# Altium PCB PCB1.PcbDoc (part 1 of 2)
Units mil, origin at the board's own origin, x right, y up, seen from the top; angles counter-clockwise.
Board outline 5910 x 3111 mil, 2 copper layers (Top Layer, Bottom Layer); 174 components, 168 nets, 751 pads, 589 vias.
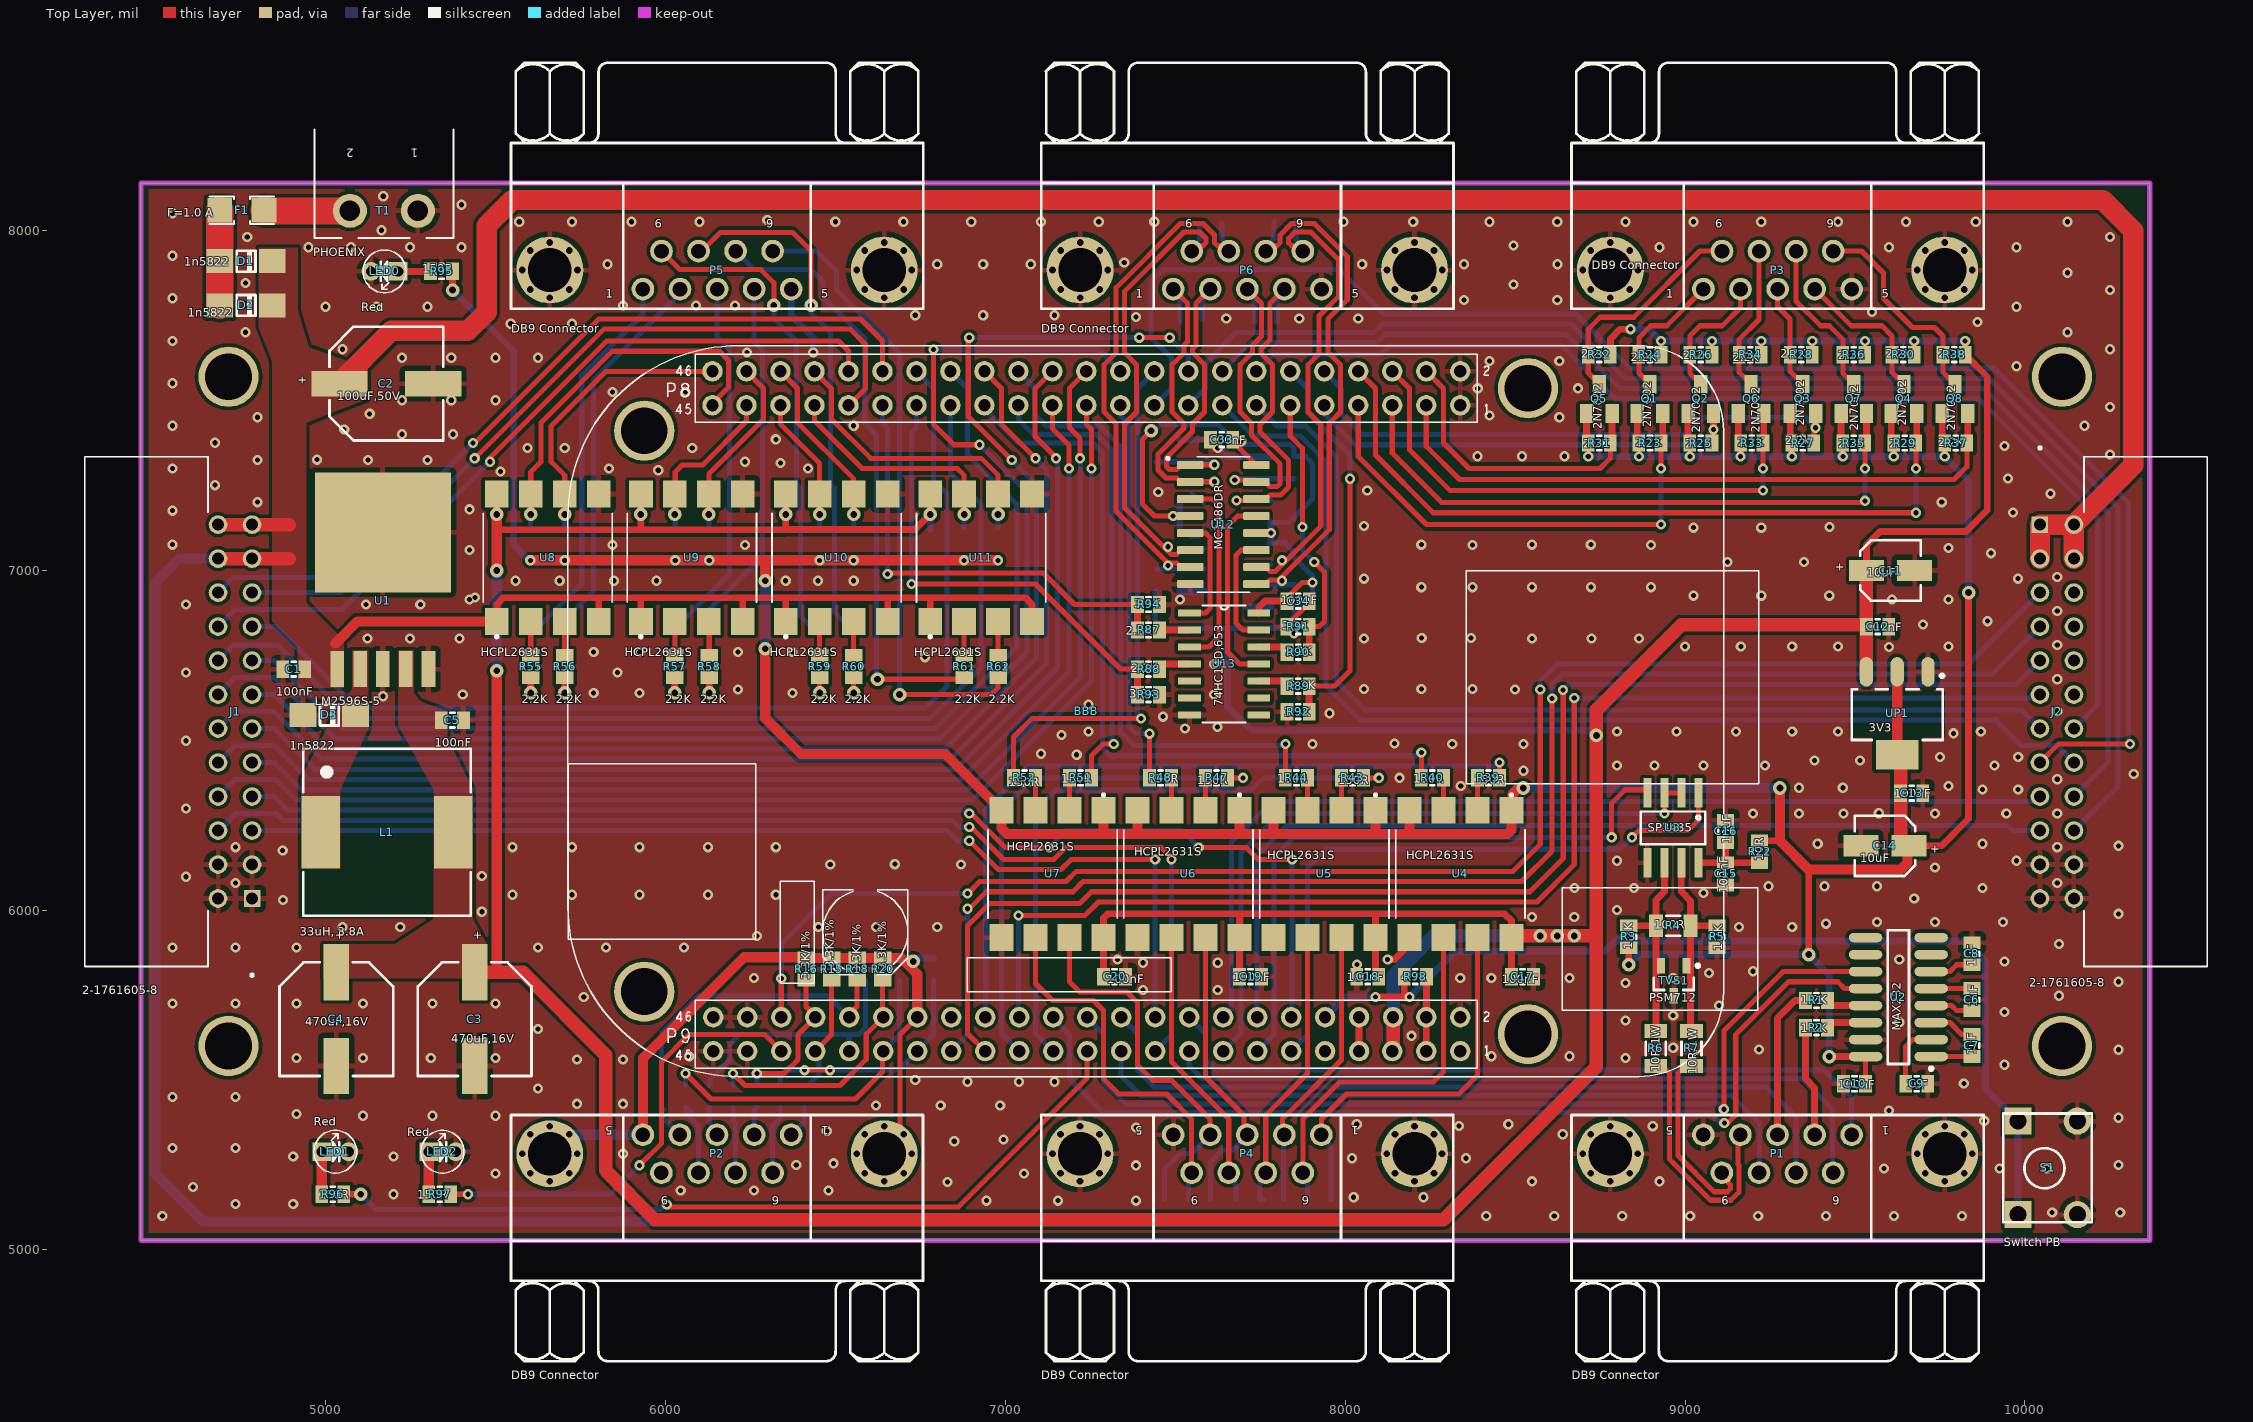
[diagram p0: Top Layer view]
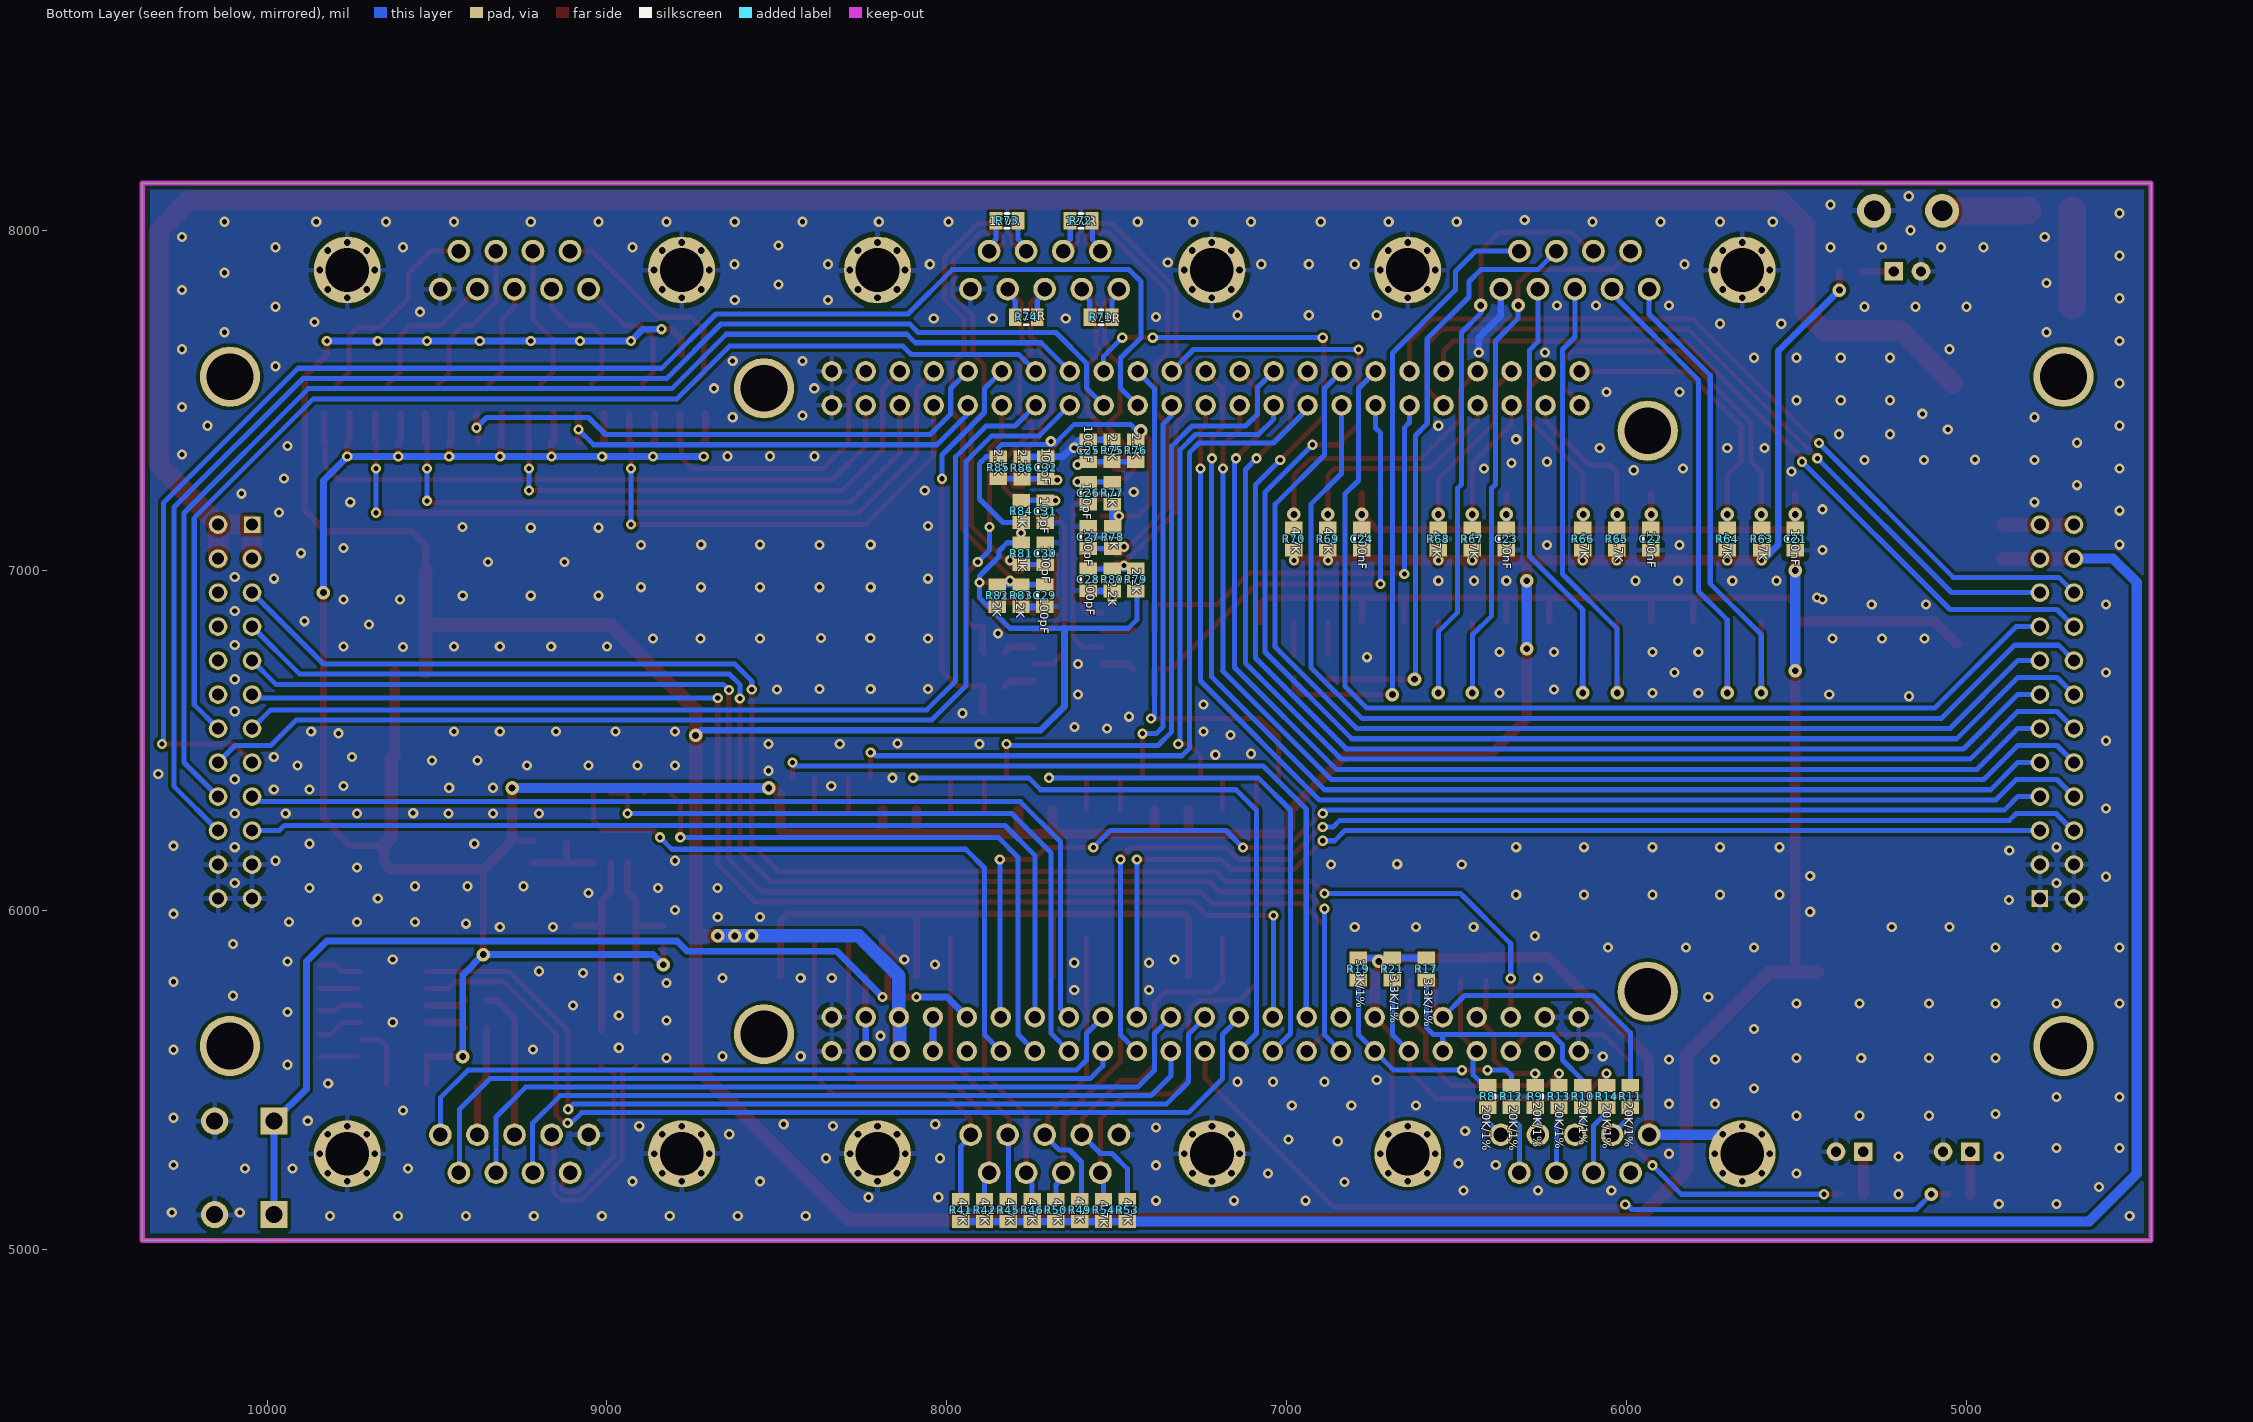
[diagram p1: Bottom Layer view, seen from below]

## Layer stack, top to bottom
Top Solder: solder mask 0.4, Solder Resist, Dk 3.5
Top Layer: signal copper 1.4
Dielectric 1: dielectric 12.6, FR-4, Dk 4.8
Bottom Layer: signal copper 1.4
Bottom Solder: solder mask 0.4, Solder Resist, Dk 3.5

## Board outline
4457,5028 4457,8139 10367,8139 10367,5028

## Design rules (kind name [scope] priority, off if disabled: settings)
Clearance [All] p1: gap=10 ignorepadtopadclearanceinfootprint=FALSE except(0: Arc-Hole Track-Hole SMDPad-Hole THPad-Hole Via-Hole Fill-Hole Poly-Hole Region-Hole Text-Hole)
DiffPairsRouting [All] p1: maxlimit=10 minlimit=10 mostfreqgap=10 toplayer_minwidth=15 toplayer_maxwidth=15 toplayer_prefwidth=15 bottomlayer_minwidth=15 bottomlayer_maxwidth=15 bottomlayer_prefwidth=15 maxuncoupledlength=500
PolygonConnect PolygonConnect_1 [InNet('DGND')] p1: thpad.connectstyle=Relief thpad.reliefconductorwidth=15 thpad.reliefentries=4 thpad.polygonreliefangle="90 Angle" thpad.airgapwidth=15 smdpad.connectstyle=Relief smdpad.reliefconductorwidth=15 smdpad.reliefentries=4 smdpad.polygonreliefangle="90 Angle" smdpad.airgapwidth=15 via.connectstyle=Direct via.reliefconductorwidth=10 via.reliefentries=4 via.polygonreliefangle="90 Angle" via.airgapwidth=10
PolygonConnect [All] p2: connectstyle=Direct reliefconductorwidth=10 reliefentries=4 polygonreliefangle="90 Angle" airgapwidth=10
RoutingVias [All] p1: holewidth=28 width=40 viastyle="Through Hole" minholewidth=10 minwidth=10 maxholewidth=100 maxwidth=50
SolderMaskExpansion [All] p1: expansion=4
Width [All] p1: maxlimit=80 minlimit=10 preferedwidth=20
29 further rules are at their usual default settings.

## Classes and differential pairs
component class Sheet1: C1 C2 C3 C4 C5 C6 C7 C8 C9 C10 C11 C12 C13 C14 C15 C16 C17 C18 C19 C20 C21 C22 C23 C24 C25 C26 C27 C28 C29 C30 C31 C32 C33 C34 D1 D2 D3 F1 L1 LED0 P1 P2 P3 P4 P5 P6 Q1 Q2 Q3 Q4 Q5 Q6 Q7 Q8 R1 R2 R3 R4 R5 R6 R7 R8 R9 R10 R11 R12 R13 R14 R15 R16 R17 R18 R19 R20 R21 R22 R23 R24 R25 R26 R27 R28 R29 R30 R31 R32 R33 R34 R35 R36 R37 R38 R39 R40 R41 R42 R43 R44 R45 R46 R47 R48 R49 R50 R51 R52 R53 R54 R55 R56 R57 R58 R59 R60 R61 R62 R63 R64 R65 R66 R67 R68 R69 R70 R71 R72 R73 R74 R75 R76 R77 R78 R79 R80 R81 R82 R83 R84 R85 R86 R87 R88 R89 R90 R91 R92 R93 R94 R95 T1 TVS1 U1 U2 U3 U4 U5 U6 U7 U8 U9 U10 U11 U12 U13 UP1
component class BeagleBoneHeader: BBB J1 J2 LED1 LED2 R96 R97 R98 S1
differential pair ENC1_A: +ENC1_A_P -ENC1_A_N
differential pair ENC1_B: +ENC1_B_P -ENC1_B_N
differential pair ENC2_A: +ENC2_A_P -ENC2_A_N
differential pair ENC2_B: +ENC2_B_P -ENC2_B_N
differential pair 485: +485_P -485_N

## Components (designator, comment, footprint, x,y, rotation, side; value= is the part's Value field where it differs from the comment)
BBB "BeagleBoneBlack" BeagleBoneBlack 7591,6635 r0 top locked
C1 "100nF" SMD_CAP_0805 4939,6709 r180 top
C2 "100uF,50V" WCAP-AS5H_8x10.5 5179,7549 r180 top
C3 "470uF,16V" WCAP-AS5H_8x10.5 5439,5679 r90 top
C4 "470uF,16V" WCAP-AS5H_8x10.5 5032,5679 r90 top
C5 "100nF" SMD_CAP_0805 5341,6559 r0 top
C6 "1uF" SMD_CAP_0805 9843.96,5769 r270 top
C7 "1uF" SMD_CAP_0805 9843.96,5633.96 r270 top
C8 "1uF" SMD_CAP_0805 9843.96,5839 r90 top
C9 "1uF" SMD_CAP_0805 9649,5489 r0 top
C10 "100nF" SMD_CAP_0805 9466.09,5489 r0 top
C11 "10uF" WCAP-AS5H_4x5.5 9604.28,6999 r180 top
C12 "100nF" SMD_CAP_0805 9534,6834 r0 top
C13 "100nF" SMD_CAP_0805 9634.04,6344 r0 top
C14 "10uF" WCAP-AS5H_4x5.5 9588.09,6189 r0 top
C15 "100nF" SMD_CAP_0805 9119,6074 r90 top
C16 "10uF" SMD_CAP_0805 9119,6264 r270 top
C17 "100nF" SMD_CAP_0805 8553.96,5804 r180 top
C18 "100nF" SMD_CAP_0805 8034.04,5804 r0 top
C19 "100nF" SMD_CAP_0805 7753.96,5804 r180 top
C20 "100nF" SMD_CAP_0805 7353.96,5804 r180 top
C21 "100nF" SMD_CAP_0805 5504,7059.04 r90 bottom
C22 "100nF" SMD_CAP_0805 5929,7059.04 r90 bottom
C23 "100nF" SMD_CAP_0805 6354,7059.04 r90 bottom
C24 "100nF" SMD_CAP_0805 6779,7059.04 r90 bottom
C25 "100pF" SMD_CAP_0805 7584,7319 r90 bottom
C26 "100pF" SMD_CAP_0805 7584,7194.04 r90 bottom
C27 "100pF" SMD_CAP_0805 7584,7064 r90 bottom
C28 "100pF" SMD_CAP_0805 7584,6939.04 r90 bottom
C29 "100pF" SMD_CAP_0805 7711.63,6892.05 r90 bottom
C30 "100pF" SMD_CAP_0805 7710.79,7016.11 r90 bottom
C31 "100pF" SMD_CAP_0805 7710.79,7139.6 r90 bottom
C32 "100pF" SMD_CAP_0805 7709,7269 r90 bottom
C33 "100nF" SMD_CAP_0805 7604.04,7384 r0 top
C34 "100nF" SMD_CAP_0805 7894,6909 r180 top
D1 "1n5822" "Diode 1N4007 SMD" 4689,7909 r0 top
D2 "1n5822" "Diode 1N4007 SMD" 4689.08,7779 r0 top
D3 "1n5822" "Diode 1N4007 SMD" 4934,6574 r0 top
F1 "F=1.0 A" "1206 FUSE" 4754.04,8059 r0 top
J1 "2-1761605-8" TE_2-1761605-8 4784,6034 r90 top locked
J2 "2-1761605-8" TE_2-1761605-8 10044,7134 r270 top locked
L1 "33uH, 3.8A" WE-PD_1210 5181,6229 r270 top
LED0 "Red" LED-3mm 5174,7879 r180 top
LED1 "Red" LED-3mm 5029,5289 r0 top
LED2 "Red" LED-3mm 5344,5289 r0 top
P1 "DB9 Connector" "DB9 Female" 9490,5339 r180 top locked
P2 "DB9 Connector" "DB9 Female" 6370,5339 r180 top locked
P3 "DB9 Connector" "DB9 Female" 9054,7827 r0 top locked
P4 "DB9 Connector" "DB9 Female" 7930,5339 r180 top locked
P5 "DB9 Connector" "DB9 Female" 5934,7827 r0 top locked
P6 "DB9 Connector" "DB9 Female" 7494,7827 r0 top locked
Q1 "2N7002" *SOT23 8896.64,7504 r0 top
Q2 "2N7002" *SOT23 9046.32,7504 r0 top
Q3 "2N7002" *SOT23 9346.56,7504 r0 top
Q4 "2N7002" *SOT23 9643.96,7504 r0 top
Q5 "2N7002" *SOT23 8747.78,7504 r0 top
Q6 "2N7002" *SOT23 9193.96,7504 r0 top
Q7 "2N7002" *SOT23 9496.36,7504 r0 top
Q8 "2N7002" *SOT23 9793.96,7504 r0 top
R1 "1.2K" "RES 0805 (2012X06L)" 9354,5734 r0 top
R2 "1.2K" "RES 0805 (2012X06L)" 9354,5654 r0 top
R3 "1.2K" "RES 0805 (2012X06L)" 8834,5889.12 r90 top
R4 "100R" "RES 1206 (3216X08L)" 8914,5954 r0 top
R5 "1.2K" "RES 0805 (2012X06L)" 9094,5954.08 r270 top
R6 "10R/1W" "RES 1206 (3216X08L)" 8914,5541.8 r90 top
R7 "10R/1W" "RES 1206 (3216X08L)" 9019,5541.8 r90 top
R8 "20K/1%" "RES 0805 (2012X06L)" 6409,5483.96 r270 bottom
R9 "20K/1%" "RES 0805 (2012X06L)" 6269,5483.96 r270 bottom
R10 "20K/1%" "RES 0805 (2012X06L)" 6129,5483.96 r270 bottom
R11 "20K/1%" "RES 0805 (2012X06L)" 5989,5483.96 r270 bottom
R12 "20K/1%" "RES 0805 (2012X06L)" 6339,5483.96 r270 bottom
R13 "20K/1%" "RES 0805 (2012X06L)" 6199,5483.96 r270 bottom
R14 "20K/1%" "RES 0805 (2012X06L)" 6059,5483.96 r270 bottom
R15 "3.3K/1%" "RES 0805 (2012X06L)" 6489,5858.96 r270 top
R16 "3.3K/1%" "RES 0805 (2012X06L)" 6414,5858.96 r270 top
R17 "3.3K/1%" "RES 0805 (2012X06L)" 6589,5858.96 r270 bottom
R18 "3.3K/1%" "RES 0805 (2012X06L)" 6564,5858.96 r270 top
R19 "3.3K/1%" "RES 0805 (2012X06L)" 6789,5858.96 r270 bottom
R20 "3.3K/1%" "RES 0805 (2012X06L)" 6639,5858.96 r270 top
R21 "3.3K/1%" "RES 0805 (2012X06L)" 6689,5858.96 r270 bottom
R22 "10R" "RES 0805 (2012X06L)" 9219,6203.96 r270 top
R23 "2.2K" "RES 0805 (2012X06L)" 8864.04,7374 r0 top
R24 "2.2K" "RES 0805 (2012X06L)" 8929,7634 r180 top
R25 "2.2K" "RES 0805 (2012X06L)" 9013.96,7374 r0 top
R26 "2.2K" "RES 0805 (2012X06L)" 9078.92,7634 r180 top
R27 "2.2k" "RES 0805 (2012X06L)" 9313.96,7374 r0 top
R28 "2.2K" "RES 0805 (2012X06L)" 9373.96,7634 r180 top
R29 "2.2K" "RES 0805 (2012X06L)" 9613.96,7374 r0 top
R30 "2.2K" "RES 0805 (2012X06L)" 9673.96,7634 r180 top
R31 "2.2K" "RES 0805 (2012X06L)" 8715.22,7374 r0 top
R32 "2.2K" "RES 0805 (2012X06L)" 8780.18,7634 r180 top
R33 "2.2K" "RES 0805 (2012X06L)" 9163.96,7374 r0 top
R34 "2.2K" "RES 0805 (2012X06L)" 9223.96,7634 r180 top
R35 "2.2K" "RES 0805 (2012X06L)" 9463.96,7374 r0 top
R36 "2.2K" "RES 0805 (2012X06L)" 9528.96,7634 r180 top
R37 "2.2K" "RES 0805 (2012X06L)" 9763.96,7374 r0 top
R38 "2.2K" "RES 0805 (2012X06L)" 9823.96,7634 r180 top
R39 "150R" "RES 0805 (2012X06L)" 8453.96,6389 r180 top
R40 "150R" "RES 0805 (2012X06L)" 8224.04,6389 r0 top
R41 "4.7K" "RES 0805 (2012X06L)" 7959,5148.96 r270 bottom
R42 "4.7K" "RES 0805 (2012X06L)" 7889,5148.96 r270 bottom
R43 "150R" "RES 0805 (2012X06L)" 8053.96,6389 r180 top
R44 "150R" "RES 0805 (2012X06L)" 7824.04,6389 r0 top
R45 "4.7K" "RES 0805 (2012X06L)" 7819,5148.96 r270 bottom
R46 "4.7K" "RES 0805 (2012X06L)" 7749,5148.96 r270 bottom
R47 "150R" "RES 0805 (2012X06L)" 7653.96,6389 r180 top
R48 "150R" "RES 0805 (2012X06L)" 7424.04,6389 r0 top
R49 "4.7K" "RES 0805 (2012X06L)" 7609,5149 r270 bottom
R50 "4.7K" "RES 0805 (2012X06L)" 7679,5148.96 r270 bottom
R51 "150R" "RES 0805 (2012X06L)" 7253.96,6389 r180 top
R52 "150R" "RES 0805 (2012X06L)" 7024.04,6389 r0 top
R53 "4.7K" "RES 0805 (2012X06L)" 7469,5148.96 r270 bottom
R54 "4.7K" "RES 0805 (2012X06L)" 7539,5148.96 r270 bottom
R55 "2.2K" "RES 0805 (2012X06L)" 5604,6684.04 r90 top
R56 "2.2K" "RES 0805 (2012X06L)" 5704,6684.04 r90 top
R57 "2.2K" "RES 0805 (2012X06L)" 6027.83,6684.04 r90 top
R58 "2.2K" "RES 0805 (2012X06L)" 6129,6684.04 r90 top
R59 "2.2K" "RES 0805 (2012X06L)" 6454,6684.04 r90 top
R60 "2.2K" "RES 0805 (2012X06L)" 6554,6684.04 r90 top
R61 "2.2K" "RES 0805 (2012X06L)" 6879,6684.04 r90 top
R62 "2.2K" "RES 0805 (2012X06L)" 6979,6684.04 r90 top
R63 "4.7K" "RES 0805 (2012X06L)" 5602.83,7124 r270 bottom
R64 "4.7K" "RES 0805 (2012X06L)" 5704,7124 r270 bottom
R65 "4.7K" "RES 0805 (2012X06L)" 6029,7124 r270 bottom
R66 "4.7K" "RES 0805 (2012X06L)" 6129,7124 r270 bottom
R67 "4.7K" "RES 0805 (2012X06L)" 6454,7124 r270 bottom
R68 "4.7K" "RES 0805 (2012X06L)" 6554,7124 r270 bottom
R69 "4.7K" "RES 0805 (2012X06L)" 6879,7124 r270 bottom
R70 "4.7K" "RES 0805 (2012X06L)" 6979,7124 r270 bottom
R71 "120R" "RES 0805 (2012X06L)" 7579,7744 r180 bottom
R72 "120R" "RES 0805 (2012X06L)" 7572.83,8027.69 r0 bottom
R73 "120R" "RES 0805 (2012X06L)" 7855.33,8027.69 r180 bottom
R74 "120R" "RES 0805 (2012X06L)" 7734.04,7744 r0 bottom
R75 "2.2K" "RES 0805 (2012X06L)" 7514,7383.96 r270 bottom
R76 "2.2K" "RES 0805 (2012X06L)" 7444,7383.96 r270 bottom
R77 "1K" "RES 0805 (2012X06L)" 7513.5,7193.54 r90 bottom
R78 "1K" "RES 0805 (2012X06L)" 7512.3,7128.62 r270 bottom
R79 "2.2K" "RES 0805 (2012X06L)" 7444,6939 r90 bottom
R80 "2.2K" "RES 0805 (2012X06L)" 7513.5,6939 r90 bottom
R81 "1K" "RES 0805 (2012X06L)" 7780.57,7080.56 r270 bottom
R82 "2.2K" "RES 0805 (2012X06L)" 7851.63,6892.05 r90 bottom
R83 "2.2K" "RES 0805 (2012X06L)" 7781.63,6892.05 r90 bottom
R84 "1K" "RES 0805 (2012X06L)" 7781.49,7140.29 r90 bottom
R85 "2.2K" "RES 0805 (2012X06L)" 7849,7333.96 r270 bottom
R86 "2.2K" "RES 0805 (2012X06L)" 7778.86,7333 r270 bottom
R87 "2.2K" "RES 0805 (2012X06L)" 7454,6824 r180 top
R88 "2.2K" "RES 0805 (2012X06L)" 7454,6709 r180 top
R89 "2.2K" "RES 0805 (2012X06L)" 7829,6659 r0 top
R90 "2.2K" "RES 0805 (2012X06L)" 7829,6759 r0 top
R91 "3.3K" "RES 0805 (2012X06L)" 7894,6834 r180 top
R92 "3.3K" "RES 0805 (2012X06L)" 7894,6584 r180 top
R93 "3.3K" "RES 0805 (2012X06L)" 7389.04,6634 r0 top
R94 "3.3K" "RES 0805 (2012X06L)" 7389,6899 r0 top
R95 "150R" "RES 0805 (2012X06L)" 5309,7879 r0 top
R96 "150R" "RES 0805 (2012X06L)" 4989,5164 r0 top
R97 "150R" "RES 0805 (2012X06L)" 5304,5164 r0 top
R98 "4.7k" "RES 0805 (2012X06L)" 8174,5804 r0 top
S1 "Switch PB" "Switch - Push to On" 10066.5,5241.5 r90 top
T1 "PHOENIX" "MSTB 2,5/2-G-5,08" 5172,8057 r180 top locked
TVS1 "PSM712" SOT23_BEC_N 8966.6,5792.35 r270 top
U1 "LM2596S-5" *TO170P1435X465-6N 5169,7105 r0 top
U2 "MAX232" NSO16_M 9627.5,5744 r180 top
U3 "SP3485" *SO08 8964,6242 r180 top
U4 "HCPL2631S" OPTO_HCPL2631S 8339,6106.36 r270 top
U5 "HCPL2631S" OPTO_HCPL2631S 7939,6106.36 r270 top
U6 "HCPL2631S" OPTO_HCPL2631S 7539,6106.36 r270 top
U7 "HCPL2631S" OPTO_HCPL2631S 7139,6106.36 r270 top
U8 "HCPL2631S" OPTO_HCPL2631S 5654,7036.64 r90 top
U9 "HCPL2631S" OPTO_HCPL2631S 6077.83,7036.64 r90 top
U10 "HCPL2631S" OPTO_HCPL2631S 6504,7036.64 r90 top
U11 "HCPL2631S" OPTO_HCPL2631S 6929,7036.64 r90 top
U12 "MC3486DR" SOIC127P600X175-16N 7641.44,7134 r0 top
U13 "74HC14D,653" SOIC127P600X175-14N 7644,6724 r0 top
UP1 "3V3" SOT223 9623.96,6575.14 r270 top
